# Altium PCB LPCXpresso55SXX.PcbDoc (part 1 of 4) (continued)
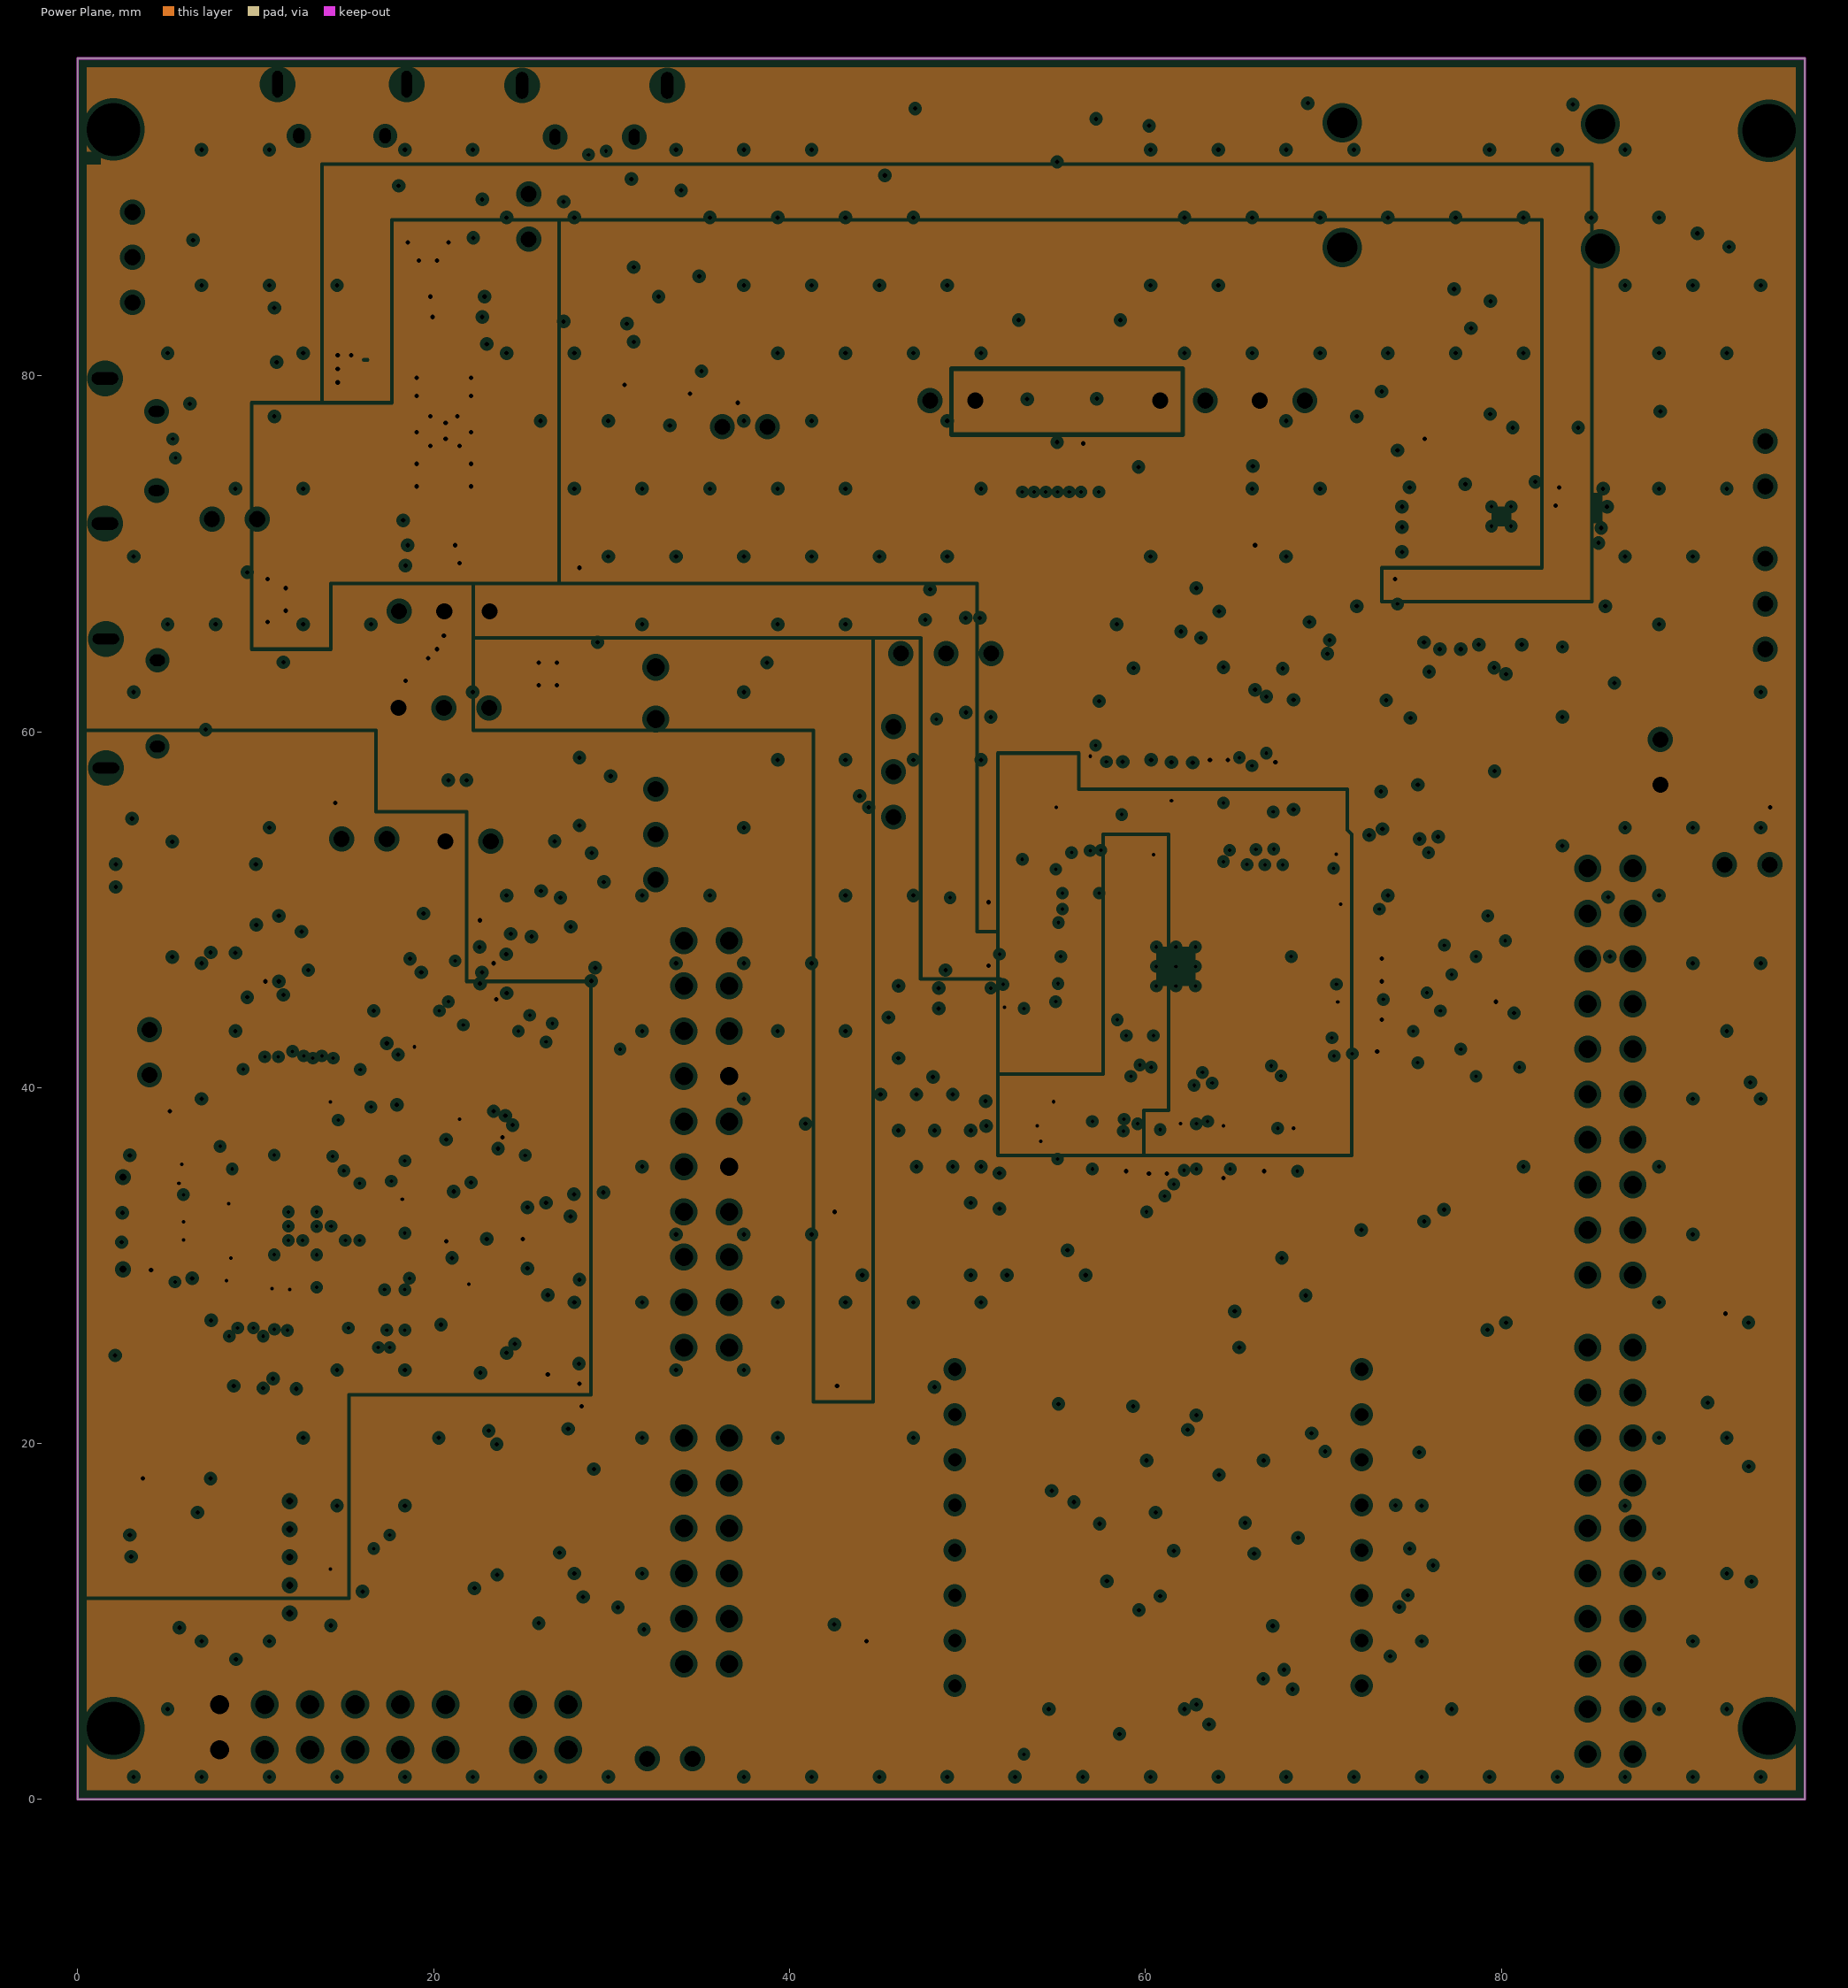
[diagram p3: Power Plane, clearances drawn from the general rule]

## Layer stack, top to bottom
Top Solder: solder mask 0.0102, Solder Resist, Dk 3.5
Top Layer: signal copper 0.0356
Dielectric 1: core 0.254, FR-4, Dk 4.2
GND Plane: plane copper 0.0356, net GND
Dielectric 3: prepreg 0.93, Dk 4.2
Power Plane: plane copper 0.0356, net (Multiple Nets)
Dielectric 2: core 0.254, Dk 4.2
Bottom Layer: signal copper 0.0356
Bottom Solder: solder mask 0.0102, Solder Resist, Dk 3.5

## Board outline
0,0 0,97.841 97.066,97.841 97.066,0

## Design rules (kind name [scope] priority, off if disabled: settings)
AssemblyTestPointUsage [All] p1: valid=2
AssemblyTestpoint [All] p1: testpointundercomponent=TRUE minsize=0.787 maxsize=2.54 preferedsize=1.524 minholesize=0 maxholesize=1.016 preferedholesize=0.813 testpointgrid=0.025 usegrid=FALSE gridtolerance=0 allowsidetop=TRUE allowsidebottom=TRUE
Clearance Clearance_U14 [WithinRoom('U14')OR WithinRoom('U18')OR WithinRoom('U5')OR WithinRoom('R107')OR WithinRoom('U18')] p1: gap=0.048 ignorepadtopadclearanceinfootprint=FALSE
Clearance Clearance_BGA [WithinRoom('BGA')] p2: gap=0.102 ignorepadtopadclearanceinfootprint=FALSE
Clearance [All] p3: gap=0.152 ignorepadtopadclearanceinfootprint=FALSE
ComponentClearance [All] p1: gap=0.152 collisioncheckmode=3 verticalgap=0.152 showdistances=TRUE
DiffPairsRouting [All] p1: maxlimit=0.254 minlimit=0.102 mostfreqgap=0.254 toplayer_minwidth=0.102 toplayer_maxwidth=0.381 toplayer_prefwidth=0.254 bottomlayer_minwidth=0.102 bottomlayer_maxwidth=0.381 bottomlayer_prefwidth=0.254 maxuncoupledlength=12.7
DiffPairsRouting DiffPairsRouting_BGA [WithinRoom('BGA')] p2: maxlimit=0.254 minlimit=0.102 mostfreqgap=0.102 toplayer_minwidth=0.102 toplayer_maxwidth=0.102 toplayer_prefwidth=0.102 bottomlayer_minwidth=0.102 bottomlayer_maxwidth=0.102 bottomlayer_prefwidth=0.102 maxuncoupledlength=12.7
FabricationTestPointUsage [All] p1: valid=2 allowmultiple=FALSE
FabricationTestpoint [All] p1: side=3 testpointundercomponent=TRUE minsize=0.762 maxsize=2.54 preferedsize=1.524 minholesize=0 maxholesize=1.016 preferedholesize=0.813 testpointgrid=0.025 allowsidetop=TRUE allowsidebottom=TRUE usegrid=FALSE gridtolerance=0
FanoutControl Fanout_BGA [IsBGA] p1: bgadir=Out bgaviamode=Centered fanoutstyle=BGA fanoutdirection=Alternating viagrid=0.025 // Fanout_BGA (Default Rule)
HoleSize [All] p1: absolutevalues=TRUE maxlimit=3.023 minlimit=0.025 maxpercent=80.000 minpercent=20.000
MatchedLengths MatchedLengths_ADC [InNetClass('ADC')] p1: tolerance=2.54 checknetsindiffpair=FALSE checkdiffpairvsdiffpair=TRUE checkxsignals=TRUE checkothers=TRUE
MatchedLengths MatchedLengths_SDIO2MCU [InNetClass('SDIO2MCU')] p2: tolerance=0.254 checknetsindiffpair=FALSE checkdiffpairvsdiffpair=TRUE checkxsignals=TRUE checkothers=TRUE
MatchedLengths MatchedLengths_SDIO [InNetClass('SDIO')] p3: tolerance=0.254 checknetsindiffpair=FALSE checkdiffpairvsdiffpair=TRUE checkxsignals=TRUE checkothers=TRUE
MinimumSolderMaskSliver MinimumSolderMaskSliver_1 [All] p1: minsoldermaskwidth=0.025
PlaneClearance [All] p1: clearance=0.254
PlaneConnect [All] p1: pad.planeconnectstyle=Relief pad.reliefexpansion=0.508 pad.reliefentries=4 pad.reliefconductorwidth=0.254 pad.reliefairgap=0.254 via.planeconnectstyle=Direct via.reliefexpansion=0.508 via.reliefentries=4 via.reliefconductorwidth=0.254 via.reliefairgap=0.254
PolygonConnect [All] p1: thpad.connectstyle=Relief thpad.reliefconductorwidth=0.254 thpad.reliefentries=4 thpad.polygonreliefangle="90 Angle" thpad.airgapwidth=0.254 smdpad.connectstyle=Direct smdpad.reliefconductorwidth=0.254 smdpad.reliefentries=4 smdpad.polygonreliefangle="90 Angle" smdpad.airgapwidth=0.254 via.connectstyle=Direct via.reliefconductorwidth=0.254 via.reliefentries=4 via.polygonreliefangle="90 Angle" via.airgapwidth=0.254
RoomDefinition U18 [InComponentClass('Room Definition 5')] p1: confinementstyle=ConfineIn formatcopy=TRUE lockcomponents=FALSE outline 35.578,78.369 35.578,81.498 38.258,81.498 38.258,78.369
RoomDefinition BGA [InComponentClass('Room Definition 4')] p2: confinementstyle=ConfineIn formatcopy=TRUE lockcomponents=FALSE outline 5.639,25.984 5.639,42.291 21.158,42.291 21.158,25.984
RoomDefinition R107 [InComponentClass('Room Definition 3')] p3: confinementstyle=ConfineIn formatcopy=TRUE lockcomponents=FALSE outline 52.832,73.814 52.832,76.2 57.758,76.2 57.758,73.814
RoomDefinition U5 [InComponentClass('Room Definition 2')] p4: confinementstyle=ConfineIn formatcopy=TRUE lockcomponents=FALSE outline 77.409,69.502 77.409,74.71 83.317,74.71 83.317,69.502
RoomDefinition U14 [InComponent('U14')] p5: confinementstyle=ConfineIn formatcopy=TRUE lockcomponents=FALSE outline 19.255,44.807 19.255,48.665 22.738,48.665 22.738,44.807
RoutingVias RoutingVias_BGA [WithinRoom('BGA')] p1: holewidth=0.203 width=0.406 viastyle="Through Hole" minholewidth=0.203 minwidth=0.406 maxholewidth=0.711 maxwidth=1.27
RoutingVias [All] p2: holewidth=0.203 width=0.406 viastyle="Through Hole" minholewidth=0.203 minwidth=0.406 maxholewidth=0.711 maxwidth=1.27
SilkToSilkClearance [All] p1: silktosilkclearance=0.025
SilkToSolderMaskClearance [IsPad] p1: minsilkscreentomaskgap=0.025 clearancetoexposedcopper=TRUE
SolderMaskExpansion [All] p1: expansion=0.051
Width Width_BGA [WithinRoom('BGA')] p1: maxlimit=0.381 minlimit=0.102 preferedwidth=0.102
Width [All] p2: maxlimit=0.508 minlimit=0.102 preferedwidth=0.254
17 further rules are at their usual default settings.

## Classes and differential pairs
net class SDIO: SD0_CLK_F SD0_CMD_F SD0_D0_F SD0_D1_F SD0_D2_F SD0_D3_F
net class SDIO2MCU: SD0_CLK SD0_CMD SD0_D0 SD0_D1 SD0_D2 SD0_D3
component class SHIELD-uSD-MIKROE-PMOD: C85 C86 C87 C88 P16 P17 P18 P19 P20 P21 P23 P24 Q2 Q3 R36 R96 R97 R98 R99 R100 R101 R102 R103 R104 R105 R106 R107 R110 R111 U20
component class LPCXpresso55SXX_POWER-USB: C7 C62 C67 C68 C69 C70 C71 C72 C73 C74 C75 C76 C77 C78 C79 C80 C81 C82 C83 C84 C89 C90 C91 C92 C93 C94 C95 C97 C98 C99 C100 D9 D10 J6 J7 J8 J9 J11 J12 L6 L7 L8 L9 L10 P9 P10 P11 P12 P13 P14 P15 P26 P27 P29 Q1 R73 R82 R84 R85 R86 R87 R88 R89 R90 R91 R92 R93 R94 R95 R125 R126 R128 R129 S4 U1 U18 U19 Y2 Y3
component class LPCXpresso55SXX_MCU: D8 F1 F2 F3 F4 J10 P8 P28 R39 R71 R72 R74 R75 R76 R77 R78 R79 R80 R83 R112 R113 R114 R115 R116 R117 R118 R119 R120 R121 R123 R124 S1 S2 S3
component class "LINK2_LPC4322 PERIPH-DEBUG": C57 C58 C59 C60 C61 D6 D7 DS2 J3 J4 J5 P7 R42 R43 R44 R45 R46 R47 R48 R49 R50 R51 R52 R53 R54 R55 R56 R57 R58 R59 R60 R61 R62 R63 R64 R65 R66 R67 R68 R69 R70 U2 U11 U12 U13 U14 U15 U16
component class LINK2_LPC4322-USB-BRPWR: C27 C28 C29 C30 C31 C32 C33 C34 C35 C36 C37 C38 C39 C40 C41 C42 C43 C44 C45 C46 C47 C48 C49 C50 C51 C52 C53 C54 C55 C56 C96 D3 D4 D5 DS1 L3 L4 L5 P2 P3 P4 P5 P6 P22 R25 R26 R27 R28 R29 R30 R31 R32 R33 R34 R35 R37 R38 R40 R41 R81 R108 R122 R127 TP1 TP2 TP3 TP4 TP5 TP6 TP7 TP8 TP9 TP11 TP12 TP13 TP14 TP15 TP16 TP17 TP18 U8 U9 U10 Y1
component class CODEC: C9 C10 C11 C12 C13 C14 C15 C16 C17 C18 C19 C20 C21 C22 C23 C24 C25 C26 D1 D2 J1 J2 L1 L2 R10 R11 R12 R13 R14 R15 R16 R17 R18 R19 R21 R22 R23 R24 R109 U5
component class BRIDGE-ACCELEROMETER: C1 C2 C3 C4 C5 C6 P1 P25 R1 R2 R3 R4 R5 R6 R7 R8 R9 R20 U3 U6 U7
net class ADC: ADC0_N ADC0_P
differential pair ADC0: +ADC0_P -ADC0_N
differential pair USB_LINK_D: +USB_LINK_D_P -USB_LINK_D_N
differential pair USB1_HS: +USB1_HS_P -USB1_HS_N
differential pair USB0_FS: +USB0_FS_P -USB0_FS_N

## Components (designator, comment, footprint, x,y, rotation, side; value= is the part's Value field where it differs from the comment)
C1 "CC0402KRX7R7BB104" CAPC1005 27.527,23.951 r90 top value=0.1uF
C2 "CC0402KRX7R7BB104" CAPC1005 27.527,22.046 r270 top value=0.1uF
C3 "CC0402KRX7R7BB104" CAPC1005 78.74,58.293 r270 top value=0.1uF
C4 "CC0402KRX7R7BB104" CAPC1005 75.406,55.169 r270 top value=0.1uF
C5 "CAP 1uF 10V 0402(1005)" CAPC0402(1005)60_L 76.397,55.169 r90 top value=1uF
C6 "CC0402KRX7R7BB104" CAPC1005 75.558,60.249 r90 top value=0.1uF
C7 "CAP 47pF 16V 0402(1005)" CAPC0402(1005)60_L 60.2,56.8 r0 top value=47pF
C9 "CAP 4.7uF 10V 0603(1608)" CAPC0603(1608)100_L 74.854,66.192 r0 top value=4.7uF
C10 "CAP 220pF 50V 0402(1005)" CAPC0402(1005)60_L 74.473,65.049 r180 top value=220pF
C11 "CAP 4.7uF 10V 0603(1608)" CAPC0603(1608)100_L 71.196,66.192 r180 top value=4.7uF
C12 "CAP 4.7uF 10V 0603(1608)" CAPC0603(1608)100_L 75.819,70.104 r0 top value=4.7uF
C13 "CC0402KRX7R7BB104" CAPC1005 84.448,71.45 r0 top value=0.1uF
C14 "CC0402KRX7R7BB104" CAPC1005 76.092,73.736 r180 top value=0.1uF
C15 "CC0402KRX7R7BB104" CAPC1005 84.448,73.736 r0 top value=0.1uF
C16 "CAP 4.7uF 10V 0603(1608)" CAPC0603(1608)100_L 84.601,72.669 r180 top value=4.7uF
C17 "CAP 220pF 50V 0402(1005)" CAPC0402(1005)60_L 71.501,65.049 r0 top value=220pF
C18 "CAP 2.2uF 10V 0402(1005)" CAPC0402(1005)60_L 81.121,75.87 r270 top value=2.2uF
C19 "CAP 2.2uF 10V 0402(1005)" CAPC0402(1005)60_L 80.207,75.87 r270 top value=2.2uF
C20 "CAP 2.2uF 10V 0402(1005)" CAPC0402(1005)60_L 83.185,75.184 r270 top value=2.2uF
C21 "CC0402KRX7R7BB104" CAPC1005 78.784,86.681 r180 top value=0.1uF
C22 "CAP 220pF 50V 0402(1005)" CAPC0402(1005)60_L 79.394,85.309 r90 top value=220pF
C23 "CC0402KRX7R7BB104" CAPC1005 92.348,89.916 r180 top value=0.1uF
C24 "CAP 220pF 50V 0402(1005)" CAPC0402(1005)60_L 92.805,88.468 r90 top value=220pF
C25 "CAP 4.7uF 10V 0603(1608)" CAPC0603(1608)100_L 75.819,72.644 r0 top value=4.7uF
C26 "CAP 4.7uF 10V 0603(1608)" CAPC0603(1608)100_L 75.819,71.501 r0 top value=4.7uF
C27 "CAP 10uF 10V 0805(2012)" CAPC0805(2012)145_L 4.293,31.572 r0 top value=10uF
C28 "CAP 10uF 10V 0805(2012)" CAPC0805(2012)145_L 4.293,33.249 r0 top value=10uF
C29 "CAP 4.7uF 10V 0603(1608)" CAPC0603(1608)100_L 7.468,28.245 r90 top value=4.7uF
C30 "CC0402KRX7R7BB104" CAPC1005 11.017,27.507 r270 top value=0.1uF
C31 "CAP 10nF 25V 0402(1005)" CAPC0402(1005)60_L 11.906,27.507 r90 top value=10nF
C32 "CAP 27pF 50V 0402(1005)" CAPC0402(1005)60_L 9.017,27.507 r90 top value=27pF
C33 "CAP 27pF 50V 0402(1005)" CAPC0402(1005)60_L 9.906,27.507 r270 top value=27pF
C34 "CAP 4.7uF 10V 0603(1608)" CAPC0603(1608)100_L 19.526,27.38 r90 top value=4.7uF
C35 "CC0402KRX7R7BB104" CAPC1005 17.367,27.507 r270 top value=0.1uF
C36 "CC0402KRX7R7BB104" CAPC1005 18.383,27.507 r270 top value=0.1uF
C37 "CC0402KRX7R7BB104" CAPC1005 6.953,33.476 r180 top value=0.1uF
C38 "CC0402KRX7R7BB104" CAPC1005 19.653,33.73 r0 top value=0.1uF
C39 "CC0402KRX7R7BB104" CAPC1005 14.319,40.588 r90 top value=0.1uF
C40 "CC0402KRX7R7BB104" CAPC1005 6.96,29.896 r180 top value=0.1uF
C41 "CAP 4.7uF 10V 0603(1608)" CAPC0603(1608)100_L 16.365,90.678 r180 top value=4.7uF
C42 "CAP 4.7uF 10V 0603(1608)" CAPC0603(1608)100_L 21.412,84.404 r180 top value=4.7uF
C43 "CC0402KRX7R7BB104" CAPC1005 21.311,83.287 r0 top value=0.1uF
C44 "CC0402KRX7R7BB104" CAPC1005 17.653,81.737 r270 top value=0.1uF
C45 "CAP 10uF 10V 0805(2012)" CAPC0805(2012)145_L 16.561,79.68 r180 top value=10uF
C46 "CAP 10uF 10V 0805(2012)" CAPC0805(2012)145_L 16.561,77.902 r180 top value=10uF
C47 "CAP 4.7uF 10V 0603(1608)" CAPC0603(1608)100_L 19.812,69.317 r0 top value=4.7uF
C48 "CC0402KRX7R7BB104" CAPC1005 19.939,70.46 r180 top value=0.1uF
C49 "CC0402KRX7R7BB104" CAPC1005 23.724,72.415 r90 top value=0.1uF
C50 "CAP 10uF 10V 0805(2012)" CAPC0805(2012)145_L 24.619,74.177 r0 top value=10uF
C51 "CAP 10uF 10V 0805(2012)" CAPC0805(2012)145_L 24.619,75.955 r0 top value=10uF
C52 "CAP 1uF 10V 0402(1005)" CAPC0402(1005)60_L 7.366,65.405 r180 top value=1uF
C53 "CAP 4.7uF 10V 0603(1608)" CAPC0603(1608)100_L 12.522,62.941 r0 top value=4.7uF
C54 "CC0402KRX7R7BB104" CAPC1005 12.395,61.824 r180 top value=0.1uF
C55 "CC0402KRX7R7BB104" CAPC1005 12.624,57.099 r180 top value=0.1uF
C56 "CAP 4.7uF 10V 0603(1608)" CAPC0603(1608)100_L 12.954,55.982 r0 top value=4.7uF
C57 "CC0402KRX7R7BB104" CAPC1005 22.193,42.747 r180 top value=0.1uF
C58 "CAP 10uF 10V 0805(2012)" CAPC0805(2012)145_L 6.629,55.499 r180 top value=10uF
C59 "CC0402KRX7R7BB104" CAPC1005 25.781,37.719 r180 top value=0.1uF
C60 "CC0402KRX7R7BB104" CAPC1005 25.876,32.714 r180 top value=0.1uF
C61 "CC0402KRX7R7BB104" CAPC1005 9.493,48.081 r270 top value=0.1uF
C62 "CAP 2.2uF 10V 0402(1005)" CAPC0402(1005)60_L 7.087,78.048 r270 top value=2.2uF
C67 "CAP 2.2uF 10V 0402(1005)" CAPC0402(1005)60_L 31.54,90.426 r180 top value=2.2uF
C68 "CAP 4.7uF 10V 0603(1608)" CAPC0603(1608)100_L 34.172,84.465 r0 top value=4.7uF
C69 "CAP 4.7uF 10V 0603(1608)" CAPC0603(1608)100_L 5.766,86.639 r180 top value=4.7uF
C70 "CAP 4.7uF 10V 0603(1608)" CAPC0603(1608)100_L 54.68,56.998 r0 top value=4.7uF
C71 "CC0402KRX7R7BB104" CAPC1005 51.911,44.958 r180 top value=0.1uF
C72 "CAP 10nF 25V 0402(1005)" CAPC0402(1005)60_L 72.009,50.089 r180 top value=10nF
C73 "CC0402KRX7R7BB104" CAPC1005 62.154,36.5 r270 top value=0.1uF
C74 "CAP 10nF 25V 0402(1005)" CAPC0402(1005)60_L 52.038,43.942 r0 top value=10nF
C75 "CC0402KRX7R7BB104" CAPC1005 68.548,36.5 r270 top value=0.1uF
C76 "CAP 10nF 25V 0402(1005)" CAPC0402(1005)60_L 61.6,57.3 r270 top value=10nF
C77 "GRM1555C1E8R0CA01D" 0402_L 50.038,50.546 r180 top value=8pF
C78 "CAP 16pF 25V 0402(1005)" CAPC0402(1005)60_L 55.721,36.5 r90 top value=16pF
C79 "CAP 16pF 25V 0402(1005)" CAPC0402(1005)60_L 57.118,36.5 r90 top value=16pF
C80 "GRM1555C1E8R0CA01D" 0402_L 50.165,55.499 r0 top value=8pF
C81 "CAP 10nF 25V 0402(1005)" CAPC0402(1005)60_L 93.4,30.1 r180 top value=10nF
C82 "CAP 10nF 25V 0402(1005)" CAPC0402(1005)60_L 57.5,57.3 r270 top value=10nF
C83 "CC0402KRX7R7BB104" CAPC1005 60.249,57.709 r180 top value=0.1uF
C84 "CAP 10nF 25V 0402(1005)" CAPC0402(1005)60_L 58.7,57.3 r270 top value=10nF
C85 "CC0402KRX7R7BB104" CAPC1005 80.232,43.561 r0 top value=0.1uF
C86 "CAP 1uF 10V 0402(1005)" CAPC0402(1005)60_L 45.332,92.355 r90 top value=1uF
C87 "CC0402KRX7R7BB104" CAPC1005 64.897,74.93 r0 top value=0.1uF
C88 "CC0402KRX7R7BB104" CAPC1005 8.35,7.239 r0 top value=0.1uF
C89 "CC0402KRX7R7BB104" CAPC1005 72.053,53.416 r0 top value=0.1uF
C90 "CAP 10nF 25V 0402(1005)" CAPC0402(1005)60_L 65.348,36.5 r90 top value=10nF
C91 "CC0402KRX7R7BB104" CAPC1005 72.009,44.856 r0 top value=0.1uF
C92 "CAP 22uF 16V 0805(2012)" CAPC0805(2012)145_L 35.02,62.23 r90 top value=22uF
C93 "CAP 22uF 16V 0805(2012)" CAPC0805(2012)145_L 52.578,36.195 r0 top value=22uF
C94 "CAP 100nF 25V 0603(1608)" CAPC0603(1608)100_L 52.578,39.243 r0 top value=100nF
C95 "CAP 47pF 16V 0603(1608)" CAPC0603(1608)100_L 52.578,37.846 r0 top value=47pF
C96 "CAP 10uF 10V 0805(2012)" CAPC0805(2012)145_L 5.505,18.059 r180 top value=10uF
C97 "CAP 47pF 16V 0603(1608)" CAPC0603(1608)100_L 49.784,45.593 r0 top value=47pF
C98 "CAP 100nF 25V 0603(1608)" CAPC0603(1608)100_L 49.784,44.45 r0 top value=100nF
C99 "CAP 2.2uF 10V 0402(1005)" CAPC0402(1005)60_L 50.038,46.609 r0 top value=2.2uF
C100 "CAP 22uF 16V 0805(2012)" CAPC0805(2012)145_L 49.117,41.402 r270 top value=22uF
D1 "PESD5V0S2BT,215" SOT23-3 78.302,80.289 r0 top
D2 "PESD5V0S2BT,215" SOT23-3 86.557,78.003 r270 top
D3 "PMEG4010CPA,115" SOT1061 19.685,87.757 r0 top
D4 "PMEG4010CPA,115" SOT1061 10.363,67.386 r90 top
D5 "PRTR5V0U2X,215" NXP-SOT143B-4_V 7.95,61.849 r90 top
D6 "PMEG1020EJ,115" "SOD-323F, SC90" 20.472,63.449 r0 top
D7 "PESD3V3L5UV,115" SOT-666 11.246,51.283 r90 top
D8 "XR3528UEUGUB" XR3528UEUGUB 94.361,58.166 r90 top
D9 "PRTR5V0U2X,215" NXP-SOT143B-4_V 8.001,75.59 r90 top
D10 "PRTR5V0U2X,215" NXP-SOT143B-4_V 29.007,89.052 r0 top
DS1 "LTST-C190KRKT" LTST-C191KRKT_V 28.194,65.786 r270 top
DS2 "LTST-C190KRKT" LTST-C191KRKT_V 22.193,32.206 r0 top
F1 "Fiducial 1.5mm" "Fiducial 1.5mm" 71.342,37.211 r0 top
F2 "Fiducial 1.5mm" "Fiducial 1.5mm" 2,8 r0 top
F3 "Fiducial 1.5mm" "Fiducial 1.5mm" 95.047,8 r0 top
F4 "Fiducial 1.5mm" "Fiducial 1.5mm" 95.047,89.841 r0 top
J1 "SJ-3524-SMT-TR" SJ-3524-SMT-TR 71.063,95.324 r270 top
J2 "SJ-3524-SMT-TR" SJ-3524-SMT-TR 85.566,95.247 r270 top
J3 "61300311121" 61300311121 20.574,61.341 r0 top
J4 "61300211121" 61300211121 4.032,41.985 r270 top
J5 "61300211121" 61300211121 16.097,53.975 r180 top
J6 "61300311121" 61300311121 3.073,86.665 r90 top
J7 "61300211121" 61300211121 37.49,77.14 r0 top
J8 "Resistor - Jumper" "0402_R - JMP" 50.6,67.2 r0 top
J9 "Resistor - Jumper" "0402_R - JMP" 47.15,67.2 r180 top
J10 "61300211121" 61300211121 93.828,52.527 r180 top
J11 "61300211121" 61300211121 8.814,71.952 r180 top
J12 "61300211121" 61300211121 25.343,88.951 r90 top
L1 "MI0603J601R-10" LIRD-MI0603J601R-10_V 75.692,68.58 r0 top
L2 "MI0603J601R-10" LIRD-MI0603J601R-10_V 75.635,74.803 r0 top
L3 "MI0603J601R-10" LIRD-MI0603J601R-10_V 20.288,29.412 r180 top
L4 "MI0603L221R-10" LIRD-HZ0603C601R-10-2_V 16.554,89.281 r0 top
L5 "MI0603L221R-10" LIRD-HZ0603C601R-10-2_V 7.823,64.389 r0 top
L6 "MI0603L221R-10" LIRD-HZ0603C601R-10-2_V 9.246,77.794 r0 top
L7 "MI0603L221R-10" LIRD-HZ0603C601R-10-2_V 31.267,88.316 r270 top
L8 "MI0603J601R-10" LIRD-MI0603J601R-10_V 54.635,58.801 r0 top
L9 "MI0603J601R-10" LIRD-MI0603J601R-10_V 52.527,34.112 r0 top
L10 "MLZ2012M4R7HT000" 0805(2012) 51.53,41.021 r180 top value=4.7uF
P1 "61300211121" 61300211121 21.939,53.848 r0 top
P2 "61300211121" 61300211121 94.837,75.057 r90 top
P3 "61300211121" 61300211121 33.274,2.286 r180 top
P4 "61300311121" 61300311121 20.599,66.777 r0 top
P5 "ZX62D-B-5P8(30)" ZX62D-B-5P8(30) 14.852,94.943 r180 top
P6 "ZX62D-B-5P8(30)" ZX62D-B-5P8(30) 3.025,61.593 r270 top
P7 "FTSH-105-01-F-DV" FTSH-105-01-L-DV-K 5.658,51.283 r270 top
P8 "61300311121" 61300311121 94.837,67.183 r90 top
P9 "ZX62D-AB-5P8(30)" ZX62D-AB-5P8(30) 2.974,75.778 r270 top
P10 "ZX62D-AB-5P8(30)" ZX62D-AB-5P8(30) 29.048,94.875 r180 top
P11 "1-PIN HEADER" HDR1X1 32.48,60.706 r90 top
P12 "61300211121" 61300211121 67.691,78.613 r0 top
P13 "61300211121" 61300211121 62.103,78.613 r180 top
P14 "PPPC022LJBN-RC" PPPC022LJBN-RC 21.209,4.064 r270 top
P15 "61300311121" 61300311121 48.8,64.4 r180 top
P16 "PPPC102LFBN-RC" PPPC102LFBN-RC 35.331,36.83 r0 top
P17 "PPPC102LFBN-RC" PPPC102LFBN-RC 86.131,40.894 r0 top
P18 "PPPC102LFBN-RC" PPPC102LFBN-RC 86.131,13.97 r0 top
P19 "PPPC062LFBN-RC" PPPC062LFBN-RC 35.331,13.97 r0 top
P20 "PPPC062LJBN-RC" PPPC062LJBN-RC 14.319,4.064 r270 top
P21 "0473521001" 0473521001 53.612,89.739 r180 top locked
P22 "FTSH-105-01-F-DV" FTSH-105-01-L-DV-K 6.477,13.589 r270 top
P23 "PPTC081LFBN-RC" "Header 8x1" 49.295,15.276 r270 top
P24 "PPTC081LFBN-RC" "Header 8x1" 72.155,15.276 r270 top
P25 "61300211121" 61300211121 88.944,58.293 r90 top
P26 "61300311121" 61300311121 32.48,54.229 r270 top
P27 "1-PIN HEADER" HDR1X1 32.48,63.627 r0 top
P28 "61300311121" 61300311121 45.847,57.748 r270 top
P29 "61300211121" 61300211121 49.17,78.613 r180 top
Q1 "BSS138P,215" NXP-SOT23_N 33.071,78.13 r90 top
Q2 "PMV48XP,215" NXP-SOT23_M 63.348,73.323 r90 top
Q3 "BSS138P,215" NXP-SOT23_N 63.195,68.904 r90 top
R1 "100R 5% 0402(1005)" RESC0402(1005)_L 25.171,20.574 r0 top value="100 Ohm"
R2 "2K2 1% 0402(1005)" RESC0402(1005)_L 25.622,53.848 r0 top value="2200 Ohm"
R3 "Jumper 0402(1005)" RESC0402(1005)_L 77.387,60.325 r90 top value="0 Ohm"
R4 "Jumper 0402(1005)" RESC0402(1005)_L 77.387,55.169 r270 top value="0 Ohm"
R5 "100R 5% 0402(1005)" RESC0402(1005)_L 76.473,60.325 r90 top value="100 Ohm"
R6 "2K2 1% 0402(1005)" RESC0402(1005)_L 27.178,49.53 r270 top value="2200 Ohm"
R7 "ERJ-2RKF1003X" RESC1005X40X25LL05T05 24.13,43.815 r180 top value="100K Ohm"
R8 "2K2 1% 0402(1005)" RESC0402(1005)_L 26.035,49.53 r270 top value="2200 Ohm"
R9 "2K2 1% 0402(1005)" RESC0402(1005)_L 26.054,43.585 r270 top value="2200 Ohm"
R10 "47K 1% 0402(1005)" RESC0402(1005)_L 74.473,63.983 r180 top value="47K Ohm"
R11 "47K 1% 0402(1005)" RESC0402(1005)_L 71.501,63.983 r0 top value="47K Ohm"
R12 "Jumper" RESC0402(1005)_L 75.279,75.819 r0 top value="0 Ohm"
R13 "33R 1% 0402(1005)" RESC0402(1005)_L 83.566,69.342 r0 top value="33 Ohm"
R14 "Jumper" RESC0402(1005)_L 83.439,66.04 r270 top value="0 Ohm"
R15 "Jumper" RESC0402(1005)_L 85.725,66.04 r90 top value="0 Ohm"
R16 "33R 1% 0402(1005)" RESC0402(1005)_L 84.582,66.04 r90 top value="33 Ohm"
R17 "20R 1% 0402(1005)" RESC0402(1005)_L 78.251,85.326 r90 top value="20 Ohm"
R18 "Jumper" RESC0402(1005)_L 77.724,66.04 r270 top value="0 Ohm"
R19 "Jumper" RESC0402(1005)_L 78.867,66.04 r270 top value="0 Ohm"
R20 "Jumper 0402(1005)" RESC0402(1005)_L 86.734,58.141 r270 top value="0 Ohm"
R21 "Jumper" RESC0402(1005)_L 81.153,66.04 r270 top value="0 Ohm"
R22 "Jumper" RESC0402(1005)_L 76.581,66.04 r270 top value="0 Ohm"
R23 "20R 1% 0402(1005)" RESC0402(1005)_L 91.814,88.468 r90 top value="20 Ohm"
R24 "Jumper" RESC0402(1005)_L 82.296,66.04 r270 top value="0 Ohm"
R25 "Jumper" RESC0402(1005)_L 19.653,34.746 r0 top value="0 Ohm"